# KiCad board hellen88m42bmw.kicad_pcb (continued)
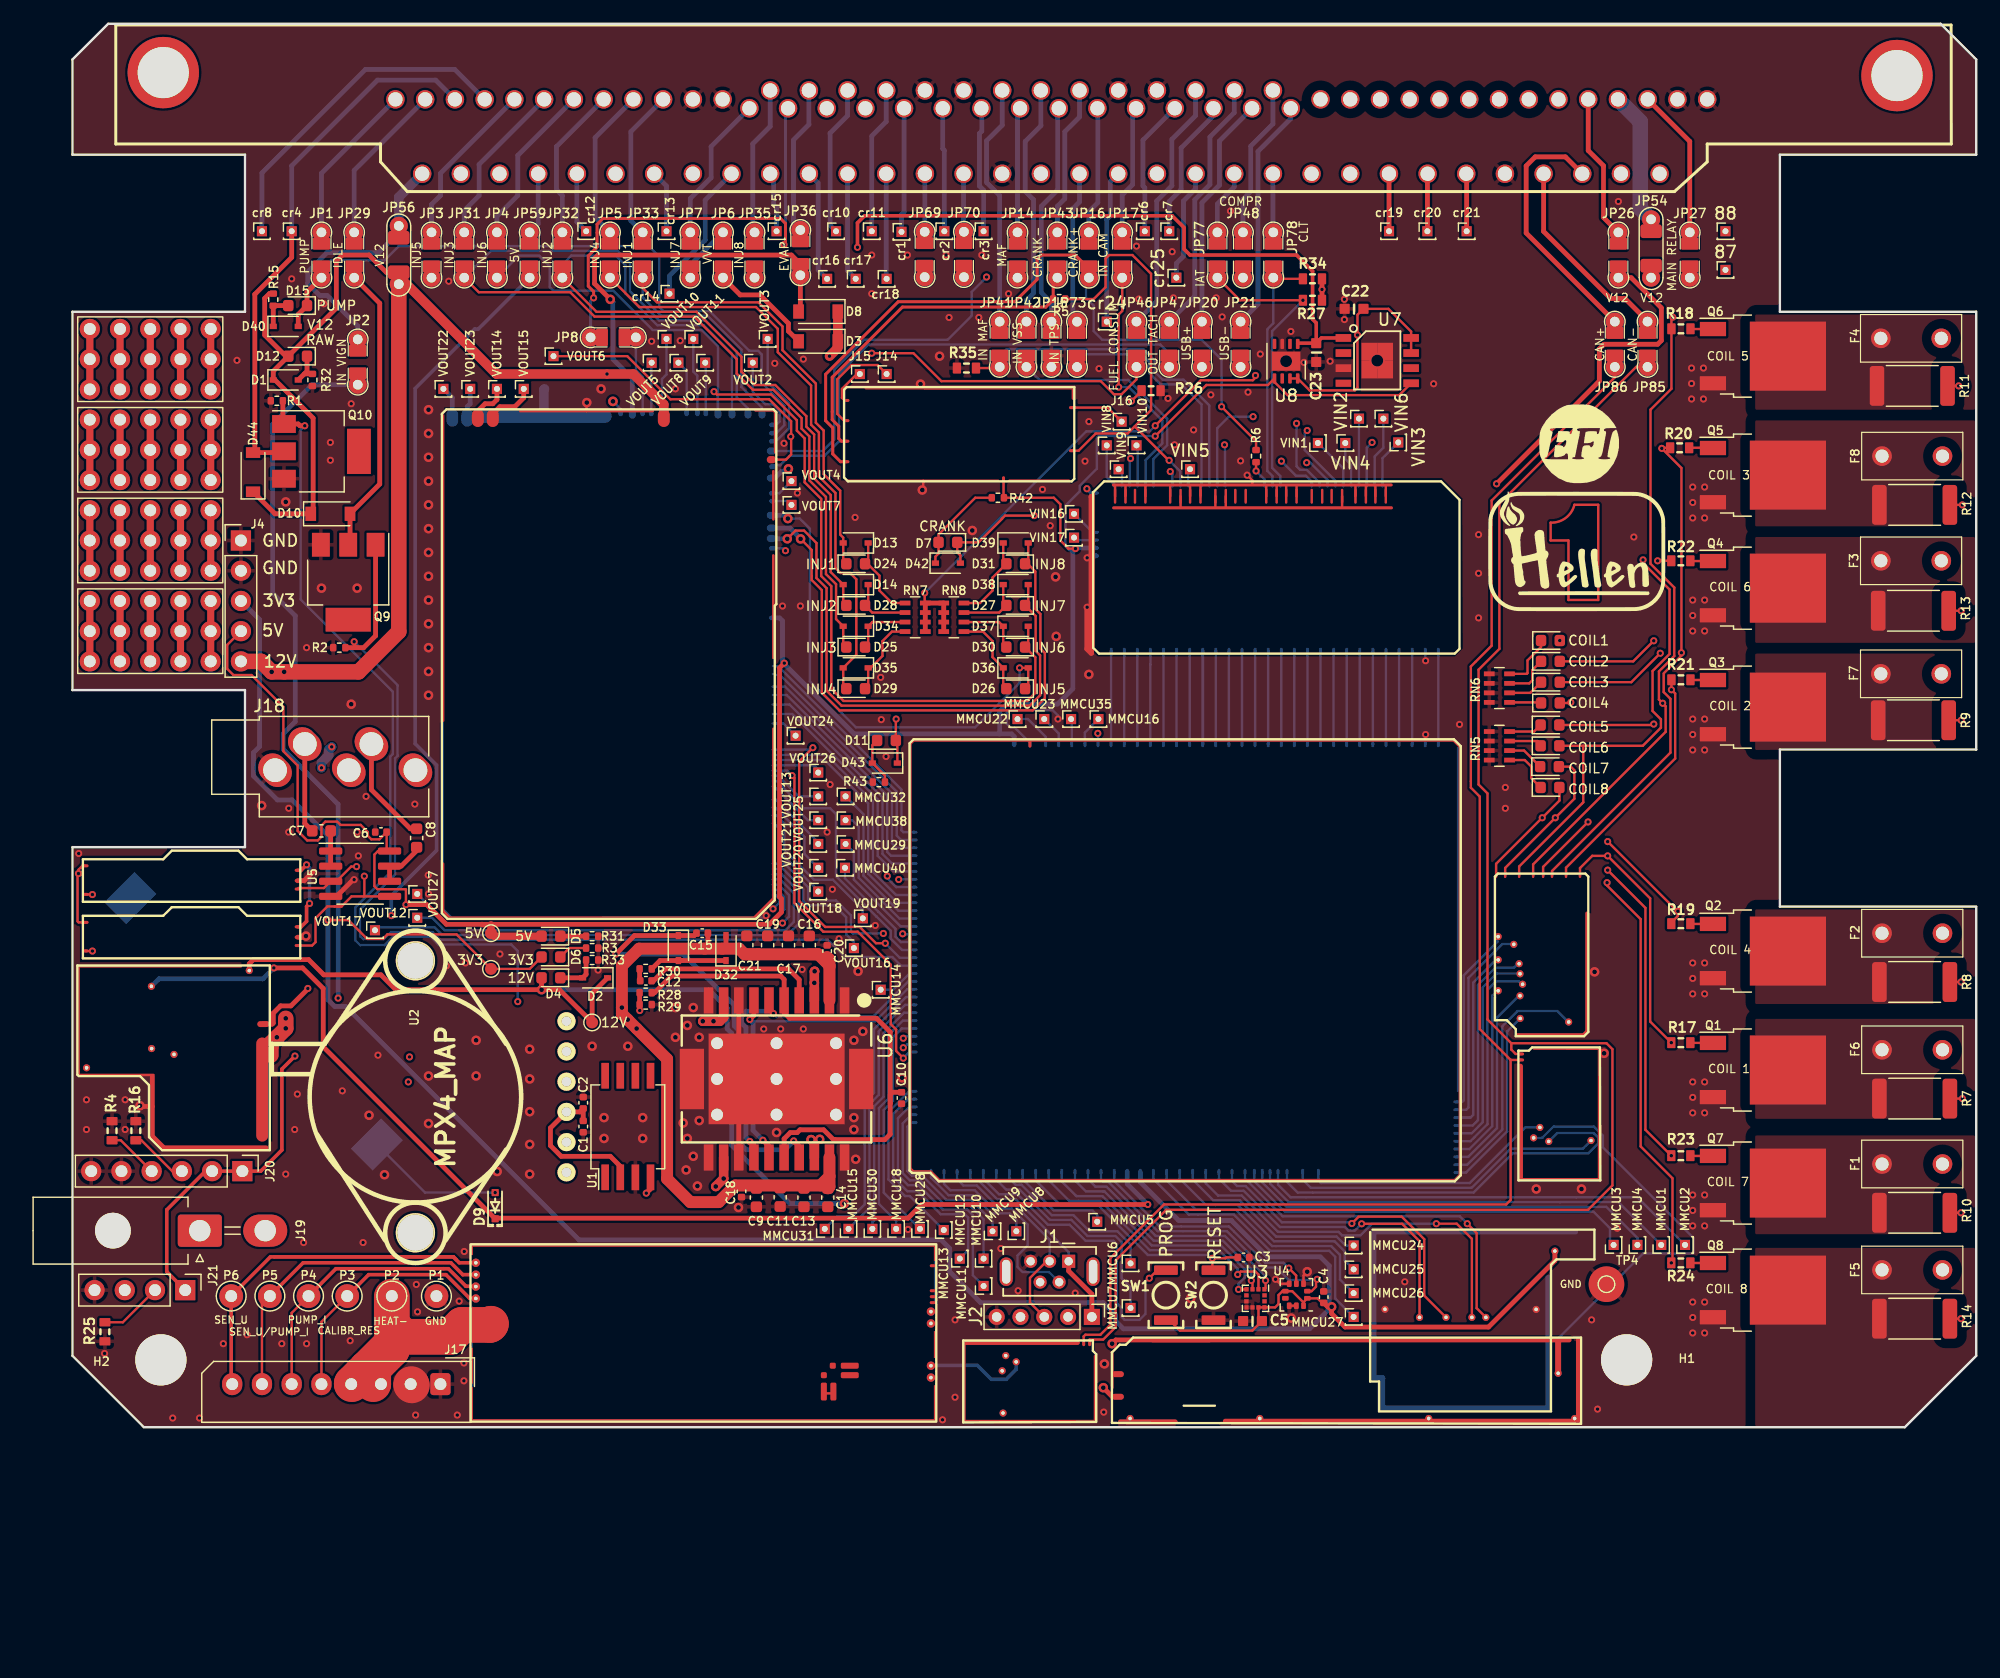
[diagram p0: board, top side]
## Library data of the parts
BT1 = -: LCSC: C70377; ki_fp_filters: BATT_CR2032_MPD
C1-C4 C6 C18 C20 = -: LCSC: C307331; ki_fp_filters: C_*
C5 = -: LCSC: C14663
C7-C9 C11 C13 C14 C16 C17 C19 C21 = -: LCSC: C96446; ki_fp_filters: C_*
C10 = -: LCSC: C115688; ki_fp_filters: C_*
C12 = -: LCSC: C15195; ki_fp_filters: C_*
C15 = -: LCSC: C16772; ki_fp_filters: C_*
C22 C23 = -: LCSC: C15849
cr1-cr4 cr6-cr8 cr10-cr25 J2 J4 J14-J16 J19-J21 MMCU1-MMCU16 MMCU18 MMCU22-MMCU32 MMCU35 MMCU38 MMCU40 P1-P6 VIN1-VIN6 VIN8-VIN10 VIN16 VIN17 VOUT2-VOUT27 = -: ki_fp_filters: Connector*:*_1x??_*
D1 D2 D13 D14 D34-D40 D42 D43 = -: Datasheet: https://www.vishay.com/docs/85751/1n4148ws.pdf; LCSC: C2128; ki_fp_filters: D*SOD?323*
D3 D8 = -: Datasheet: https://www.vishay.com/docs/85751/1n4148ws.pdf; LCSC: C8598; ki_fp_filters: D*SOD?323*
D4-D6 D12 = -: LCSC: C72043; ki_fp_filters: LED* LED_SMD:* LED_THT:*
D7 = -: LCSC: C84265; ki_fp_filters: LED* LED_SMD:* LED_THT:*
D9 = -: LCSC: C2128
D10 D44 = -: LCSC: C8598
D11 D15 D24-D31 = -: LCSC: C2286; ki_fp_filters: LED* LED_SMD:* LED_THT:*
D16-D23 = -: LCSC: C72041; ki_fp_filters: LED* LED_SMD:* LED_THT:*
D32 D33 = -: LCSC: C2128; ki_fp_filters: TO-???* *_Diode_* *SingleDiode* D_*
F1-F8 = -: LCSC: C354908
H1 H2 = -: ki_fp_filters: MountingHole*
J1 = -: LCSC: C13453; ki_fp_filters: USB*
J17 = -: LCSC: C10385; ki_fp_filters: Connector*:*_1x??_*
J18 = -: LCSC: C165947; ki_fp_filters: Jack*
JP1-JP5 JP7 JP8 JP14-JP17 JP26 JP27 JP29 JP31-JP33 JP35 JP36 JP42 JP43 JP46-JP48 JP59 JP69 JP70 JP73 JP77 JP78 JP85 JP86 = -: LCSC: C17477
JP6 JP20 JP21 JP41 U8 = -: MyComment: DNP
JP54 = -: LCSC: C182446
JP56 = -: MyCooment: DNP
PP1 = -: Datasheet: DOCUMENTATION; ki_fp_filters: 176122-6_2nd
Q1-Q8 = -: LCSC: C151649
Q9 Q10 = -: Datasheet: https://www.infineon.com/dgdl/Infineon-AUIPS2041-DS-v01_00-EN.pdf?fileId=5546d4625a888733015aae147a9d4c57; LCSC: C113610; ki_fp_filters: SOT?223*
R1 R2 R29 = -: LCSC: C60489; ki_fp_filters: R_*
R3 = -: LCSC: C25132; ki_fp_filters: R_*
R4 R16 R25 = -: LCSC: C25822
R5 R6 = -: Comment: 0
R7-R14 = -: LCSC: NA; ki_fp_filters: R_*
R15 = -: LCSC: C25765; ki_fp_filters: R_*
R17-R24 = -: LCSC: C23345
R27 R34 = -: LCSC: C13167
R28 = -: LCSC: C106234; ki_fp_filters: R_*
R30 = -: LCSC: C106233; ki_fp_filters: R_*
R31 = -: LCSC: C25931; ki_fp_filters: R_*
R32 R33 R43 = -: LCSC: C25941; ki_fp_filters: R_*
R42 = -: LCSC: C25940; ki_fp_filters: R_*
RN5 RN6 = -: Datasheet: CN1J4TTD102J; LCSC: C240722; ki_fp_filters: DIP* SOIC* R*Array*Concave* R*Array*Convex*
RN7 RN8 = -: Datasheet: EXB-38V471JV; LCSC: C1980; ki_fp_filters: DIP* SOIC* R*Array*Concave* R*Array*Convex*
SW1 SW2 = -: LCSC: C115357
TP1-TP4 = -: ki_fp_filters: Pin* Test*
U1 = -: Datasheet: http://www.nxp.com/files/sensors/doc/data_sheet/MPXA6115A.pdf
U3 = -: Datasheet: www.st.com/resource/en/datasheet/lis2hh12.pdf; LCSC: C189624; ki_fp_filters: LGA*2x2mm*P0.5mm*
U4 = -: Datasheet: www.st.com/resource/en/datasheet/lps25hb.pdf; LCSC: C87898; ki_fp_filters: ST?HLGA*2.5x2.5mm*P0.6mm*LayoutBorder3x2y*
U5 = -: Datasheet: http://ww1.microchip.com/downloads/en/DeviceDoc/21733j.pdf; LCSC: C7377; ki_fp_filters: SOIC*3.9x4.9mm*P1.27mm* DIP*W7.62mm* TO*99* OnSemi*Micro8* TSSOP*3x3mm*P0.65mm* TSSOP*4.4x3mm*P0.65mm* MSOP*3x3mm*P0.65mm* SSOP*3.9x4.9mm*P0.635mm* LFCSP*2x2mm*P0.5mm* *SIP* SOIC*5.3x6.2mm*P1.27mm*
U6 = -: LCSC: C36543

## Footprints (pads in the part's own frame, mm; a bottom-side part is the same pattern mirrored in y, then rotated)
88pin_STS
  round 6 hole 4.3: (-19.51,2.25) (126.2,2)
  round 1.55 hole 1.2: 1(0,0) 2(5,0) 3(10,0) 4(15,0) 5(20,0) 6(25,0) 7(29.75,-0.75) 8(33,-0.75) 9(36.25,-0.75) 10(39.5,-0.75) 11(42.75,-0.75) 12(46,-0.75) 13(49.25,-0.75) 14(52.5,-0.75) 15(55.75,-0.75) 16(59,-0.75) 17(62.25,-0.75) 18(65.5,-0.75) 19(68.75,-0.75) 20(72,-0.75) 21(75.25,-0.75) 22(80.25,0) 23(85.25,0) 24(90.25,0) 25(95.25,0) 26(100.25,0) 27(105.25,0) 28(110.25,0) 29(2.5,0) 30(7.5,0) 31(12.5,0) 32(17.5,0) 33(22.5,0) 34(27.5,0) 35(31.5,0.75) 36(34.75,0.75) 37(38,0.75) 38(41.25,0.75) 39(44.5,0.75) 40(47.75,0.75) 41(51,0.75) 42(54.25,0.75) 43(57.5,0.75) 44(60.75,0.75) 45(64,0.75) 46(67.25,0.75) 47(70.5,0.75) 48(73.75,0.75) 49(77.75,0) 50(82.75,0) 51(87.75,0) 52(92.75,0) 53(97.75,0) 54(102.75,0) 55(107.75,0) 56(2.25,-6.25) 57(5.5,-6.25) 58(8.75,-6.25) 59(12,-6.25) 60(15.25,-6.25) 61(18.5,-6.25) 62(21.75,-6.25) 63(25,-6.25) 64(28.25,-6.25) 65(31.5,-6.25) 66(34.75,-6.25) 67(38,-6.25) 68(41.25,-6.25) 69(44.5,-6.25) 70(47.75,-6.25) 71(51,-6.25) 72(54.25,-6.25) 73(57.5,-6.25) 74(60.75,-6.25) 75(64,-6.25) 76(67.25,-6.25) 77(70.5,-6.25) 78(73.75,-6.25) 79(77,-6.25) 80(80.25,-6.25) 81(83.5,-6.25) 82(86.75,-6.25) 83(90,-6.25) 84(93.25,-6.25) 85(96.5,-6.25) 86(99.75,-6.25) 87(103,-6.25) 88(106.25,-6.25)
36911600000
  round 1.65 hole 1.1: 1(-2.54,0) 2(2.54,0)
BatteryHolder_Keystone_1060_1x2032
  rect 2.6x3.6 smd: 1(-14.65,0) 2(14.65,0)
C0603
  rrect 0.85x0.85 smd: 1(-0.79,0) 2(0.79,0)
C_0402_1005Metric
  rrect 0.56x0.62 smd: 1(-0.48,0) 2(0.48,0)
C_0603_1608Metric
  rrect 0.9x0.95 smd: 1(-0.775,0) 2(0.775,0)
can
  oval 0.2x5.67 smd: E1(0.2,4.138)
  oval 11.1x0.2 smd: E1(5.675,6.875)
  oval 9.8x0.4 smd: E1(6.375,0.275)
  oval 0.5x0.25 smd: E1(11,0.275)
  oval 0.2x6.8 smd: E1(11.175,3.538)
  oval 0.25x0.5 smd: S1(0.65,0.325) S2(1.15,0.325)
  round 0.6 hole 0.3: V1(7.7,1.375) V2(6.825,1.9) V5(8,2.65) V6(7.925,6.2)
D_SOD-123
  rect 0.9x1.2 smd: 1(-1.65,0) 2(1.65,0)
D_SOD-323
  rect 0.6x0.45 smd: 1(-1.05,0) 2(1.05,0)
HVSON-8-1EP_3x3mm_P0.65mm_EP1.6x2.4mm
  rrect 0.64x0.97 smd: (-0.4,0.6) (-0.4,-0.6) (0.4,0.6) (0.4,-0.6)
  rrect 0.85x0.3 smd: 1(-1.45,0.975) 2(-1.45,0.325) 3(-1.45,-0.325) 4(-1.45,-0.975) 5(1.45,-0.975) 6(1.45,-0.325) 7(1.45,0.325) 8(1.45,0.975)
  rect 1.6x2.4 smd: 9(0,0)
ign8
  oval 0.25x10.2 smd: G(0.15,8.4)
  oval 0.65x0.25 smd rot 45: G(0.3,13.5)
  oval 5.8x0.25 smd: G(3.263,13.65)
  oval 0.2x0.4 smd: S1(7.775,0.275) S2(7.015,0.275) S3(5.84,0.275) S4(4.665,0.275) S5(3.825,0.275) S6(3.075,0.275) S7(1.9,0.275) S8(0.725,0.275)
  round 0.6 hole 0.3: V1(5.765,10.375) V2(7.6,9.95) V3(5.55,9.4) V4(5.765,8.525) V5(5.84,7.675) V6(7.6,7.35) V7(6.29,6.05) V8(7.6,5.4) V9(1.675,12.575) V10(5.75,12.275)
input
  rrect 0.5x0.25 smd far side: E1(30.65,6.358) E2(30.65,5.698) E3(30.65,5.038) E4(30.65,4.378) E5(30.65,1.078)
  rrect 0.2x13 smd: E1(30.85,7.545)
  rrect 23.6x0.25 smd: J1(17.495,2.325) J2(17.52,0.4)
  rrect 0.2x1.25 smd: J3(6.295,1.35) J4(7.17,1.35) J5(7.97,1.35) J6(8.845,1.35) J7(9.97,1.35) J8(10.845,1.35) J9(11.645,1.35) J10(12.52,1.35) J11(13.795,1.35) J12(14.67,1.35) J13(15.47,1.35) J14(16.345,1.35) J15(18.07,1.35) J16(18.945,1.35) J17(19.745,1.35) J18(20.62,1.35) J19(21.87,1.35) J20(22.745,1.35) J21(23.545,1.35) J22(24.42,1.35) J23(26.5,1.35) J24(27.375,1.35) J25(28.175,1.35) J26(29.05,1.35)
  rrect 0.25x0.5 smd far side: N1(1.88,14.327) N2(2.98,14.327) N3(4.08,14.327) N4(5.18,14.327) N5(6.28,14.327) N6(7.38,14.327) N7(8.48,14.327) N8(9.58,14.327) N9(10.68,14.327) N10(11.78,14.327) N11(12.88,14.327) N12(13.98,14.327) N13(15.08,14.327) N14(16.18,14.327) N15(17.28,14.327) N16(18.38,14.327) N17(19.48,14.327) N18(20.58,14.327) N19(21.68,14.327) N20(22.78,14.327) N21(23.88,14.327) N22(24.98,14.327) N23(26.08,14.327) N24(27.18,14.327) N25(28.28,14.327) N26(29.38,14.327) S1(29.129,0.365) S2(28.469,0.365) S3(27.809,0.365) S4(27.149,0.365) S5(26.489,0.365) S6(25.829,0.365) S7(24.228,0.365) S8(23.568,0.365) S9(22.908,0.365) S10(21.787,0.365) S11(21.127,0.365) S12(20.467,0.365) S13(19.807,0.365) S14(16.481,0.365) S15(15.821,0.365) S16(15.161,0.365) S17(12.515,0.365) S18(11.855,0.365) S19(11.195,0.365) S20(10.535,0.365) S21(9.875,0.365) S22(9.215,0.365) S23(8.555,0.365) S24(7.895,0.365) S25(7.235,0.365) S26(6.575,0.365)
Jack_3.5mm_PJ-3250-5A
  oval 3x2.4 hole 2 rot 45: R(1.9,-4.3) RN(-0.3,-2.4) S(-0.3,3.8) T(1.9,1.3) TN(-0.3,-8)
knock
  oval 0.5x0.25 smd: E1(18.15,2.75) E2(18.15,1.875) E3(18.15,1.175) W1(0.325,0.725) W2(0.325,3.125)
LED_0603_1608Metric
  rrect 0.875x0.95 smd: 1(-0.787,0) 2(0.787,0)
LGA-12_2x2mm_P0.5mm
  rect 0.375x0.35 smd: 1(-0.762,0.75) 2(-0.762,0.25) 3(-0.762,-0.25) 4(-0.762,-0.75) 7(0.762,-0.75) 8(0.762,-0.25) 9(0.762,0.25) 10(0.762,0.75)
  rect 0.35x0.375 smd: 5(-0.25,-0.762) 6(0.25,-0.762) 11(0.25,0.762) 12(-0.25,0.762)
mcu
  rrect 0.5x0.25 smd far side: E1(46.002,32.325) E2(46.002,31.665) E3(46.002,31.005) E4(46.002,30.345) E5(46.002,29.685) E6(46.002,26.385) E7(46.002,25.725) E8(46.002,25.065) E9(46.002,24.405) E10(46.002,23.745) E11(46.002,23.085) E12(46.002,22.425) E13(46.002,21.765) E14(46.002,21.105) E15(46.002,20.445) E16(46.002,19.785) E17(46.002,19.125) E18(46.002,18.465) E19(46.002,17.805) E20(46.002,17.145) E21(46.002,16.485) E22(46.002,15.825) E23(46.002,15.165) E24(46.002,14.505) E25(46.002,13.845) E26(46.002,13.185) E27(46.002,12.525) E28(46.002,11.865) E29(46.002,11.205) E30(46.002,10.545) E31(46.002,9.885) E32(46.002,9.225) E33(46.002,8.565) E34(46.002,7.905) W1(0.475,30.58) W2(0.475,31.24) W3(0.475,31.9) W4(0.475,32.56) W5(0.475,33.22) W6(0.475,33.88) W7(0.475,34.54) W8(0.475,35.2) W9(0.475,35.86) W10(0.475,36.52)
  rrect 0.25x0.5 smd far side: N1(12.055,36.452) N2(13.375,36.452) N3(14.695,36.452) N4(15.455,36.452) N5(16.12,36.452) N6(16.785,36.452) N7(17.45,36.452) N8(18.225,36.452) N9(19.325,36.452) N10(20.425,36.452) N11(21.525,36.452) N12(22.625,36.452) N13(23.725,36.452) N14(24.825,36.452) N15(25.925,36.452) N16(27.025,36.452) N17(28.125,36.452) N18(29.225,36.452) N19(30.325,36.452) N20(31.425,36.452) N21(32.525,36.452) N22(33.625,36.452) N23(34.725,36.452) N24(35.825,36.452) N25(36.925,36.452) N26(38.025,36.452) N27(39.125,36.452) N28(40.225,36.452) N29(41.325,36.452) N30(42.425,36.452) N31(43.525,36.452) N32(44.625,36.452) S1(37.625,0.523) S2(36.305,0.523) S3(34.985,0.523) S4(33.885,0.523) S5(32.785,0.523) S6(31.685,0.523) S7(30.585,0.523) S8(29.485,0.523) S9(28.385,0.523) S10(27.285,0.523) S11(26.185,0.523) S12(25.085,0.523) S13(23.985,0.523) S14(22.885,0.523) S15(21.785,0.523) S16(20.685,0.523) S17(19.585,0.523) S18(18.485,0.523) S19(17.385,0.523) S20(16.285,0.523) S21(15.185,0.523) S22(14.085,0.523) S23(12.985,0.523) S24(11.885,0.523) S25(10.785,0.523) S26(9.685,0.523) S27(8.585,0.523) S28(7.485,0.523) S29(6.385,0.523) S30(5.285,0.523) S31(4.185,0.523) S32(3.085,0.523) S33(1.985,0.523)
  rrect 0.2x36.19 smd: S2(0.175,18.722)
  rrect 0.2x29 smd far side: S2(0.34,15.24)
  rrect 0.2x0.8 smd rot 135: S2(0.39,36.935)
  rrect 0.2x0.94 smd rot 45: S2(0.438,0.462)
  rrect 43.5x0.2 smd: S2(22.265,37.15)
  rrect 45.6x0.2 smd: S2(23.4,0.2)
  rrect 0.25x0.7 smd: S2(36.305,0.45)
  rrect 0.2x1.2 smd rot 45: S2(44.288,36.788)
  rrect 1.6x0.2 smd: S2(45.375,36.425)
  rrect 0.2x0.58 smd rot 135: S2(46.212,0.338)
  rrect 0.2x0.55 smd rot 45: S2(46.225,36.3)
  rrect 0.2x35.9 smd: S2(46.35,18.325)
Molex_Mini-Fit_Jr_5569-02A2_2x01_P4.20mm_Horizontal
  round 3 hole 3 unplated: (0,7.3)
  rrect 2.7x3.7 hole 1.8: 1(0,0)
  oval 2.7x3.7 hole 1.8: 2(0,-5.5)
MountingHole_4.3mm_M4_DIN965
  round 4.3 hole 4.3 unplated: (0,0)
MPX-4_MAP
  round 3.302 hole 3.048: (-11.43,-3.81) (11.43,-3.81)
  round 1.524 hole 0.813: 1(-6.35,-16.51) 2(-3.81,-16.51) 3(-1.27,-16.51) 4(1.27,-16.51) 5(3.81,-16.51) 6(6.35,-16.51)
output
  oval 0.2x3.6 smd: G(0.175,2.025)
  oval 0.2x0.3 smd rot 45: G(0.245,0.273)
  oval 0.2x4.25 smd: G(0.325,7.335)
  oval 0.2x14.4 smd: G(0.327,34.056)
  oval 0.2x8.825 smd: G(0.327,16.697)
  oval 1.7x0.2 smd: G(1.075,0.2)
  oval 2.43x0.2 smd rot 45: G(1.135,42.031)
  oval 25.7x0.2 smd: G(14.7,42.835)
  oval 25.6x0.2 smd far side: G(14.7,42.825)
  oval 11.325x0.2 smd: G(16.025,0.26)
  oval 0.2x1.2 smd far side rot 45: G(27.745,42.47)
  oval 1x0.2 smd rot 135: G(27.789,42.551)
  oval 0.2x25.85 smd: G(28.075,13.46)
  oval 0.2x4.15 smd: G(28.077,40.271)
  oval 0.2x40.8 smd far side: G(28.1,21.8)
  oval 1x1.5 smd far side: S1(27.302,0.814) S2(26.046,0.814)
  oval 11.4x1.1 smd far side: S3(19.602,0.689)
  oval 1x1.5 smd: S4(25.157,0.839) S5(23.902,0.839) S11(9.527,0.839)
  oval 0.4x0.6 smd far side: S6(13.152,0.389) S8(11.307,0.389) S9(10.577,0.389) S10(9.682,0.389) S12(7.607,0.389) S13(6.707,0.389) S14(5.997,0.389)
  oval 0.6x0.8 smd far side: S7(12.177,0.489) S15(4.977,0.489) S16(3.802,0.489) S17(2.452,0.489) S18(1.277,0.489)
  oval 0.6x0.4 smd far side: W1(0.377,1.419) W2(0.377,2.114) W3(0.377,2.794) W6(0.377,4.919) W8(0.377,7.164) W9(0.377,7.814) W13(0.377,11.789) W14(0.377,17.639)
  oval 0.8x0.6 smd far side: W4(0.472,3.614) W7(0.472,5.889) W10(0.472,9.014) W11(0.472,10.089) W12(0.472,10.964)
  oval 0.8x0.6 smd: W5(0.472,4.335)
  oval 0.4x0.2 smd far side: W15(0.272,21.694) W16(0.272,22.354) W17(0.272,23.414) W18(0.272,24.118) W19(0.272,24.918) W20(0.272,25.718) W21(0.272,26.514) W22(0.272,28.709) W23(0.272,29.149) W24(0.272,29.589) W25(0.272,30.029) W26(0.272,30.469) W27(0.272,30.909) W28(0.272,31.349) W29(0.272,31.789) W30(0.272,32.914) W31(0.272,33.574) W32(0.272,34.234) W33(0.272,34.894) W34(0.272,38.299) W35(0.272,38.739) W36(0.272,39.179) W37(0.272,39.619) W38(0.272,40.059) W39(0.272,40.499) W40(0.272,40.939)
PAD-0805-PAD
  round 1.524 hole 0.813: 1(-1.905,0) 2(1.905,0)
  rrect 1x1.45 smd: 1(-0.95,0) 2(0.95,0)
PAD-1206-PAD
  round 1.524 hole 0.813: 1(-2.45,0) 2(2.45,0)
  rrect 1.15x1.8 smd: 1(-1.45,0) 2(1.45,0)
PG-DSO-8-43
  rect 1.31x0.65 smd: 1(-2.845,1.905) 2(-2.845,0.635) 3(-2.845,-0.635) 5(2.845,-1.905) 6(2.845,-0.635) 7(2.845,0.635) 8(2.845,1.905)
  rect 1.31x0.6 smd: 4(-2.845,-1.905)
  rect 1.325x1.5 smd: 9(-0.662,0.75) 9(-0.662,-0.75) 9(0.662,0.75) 9(0.662,-0.75)
Pin_D1.0mm_L10.0mm
  round 2 hole 1: 1(0,0)
PinHeader_1x01_P1.00mm_Vertical
  rect 0.85x0.85 hole 0.5: 1(0,0)
PinHeader_1x04_P2.54mm_Vertical
  rect 1.7x1.7 hole 1: 1(0,0)
  oval 1.7x1.7 hole 1: 2(0,-2.54) 3(0,-5.08) 4(0,-7.62)
PinHeader_1x05_P2.00mm_Vertical
  rect 1.35x1.35 hole 0.8: 1(0,0)
  oval 1.35x1.35 hole 0.8: 2(0,-2) 3(0,-4) 4(0,-6) 5(0,-8)
PinHeader_1x05_P2.54mm_Vertical
  rect 1.7x1.7 hole 1: 1(0,0)
  oval 1.7x1.7 hole 1: 2(0,-2.54) 3(0,-5.08) 4(0,-7.62) 5(0,-10.16)
PinHeader_1x06_P2.54mm_Vertical
  rect 1.7x1.7 hole 1: 1(0,0)
  oval 1.7x1.7 hole 1: 2(0,-2.54) 3(0,-5.08) 4(0,-7.62) 5(0,-10.16) 6(0,-12.7)
power5
  oval 0.4x7.2 smd: G(0.325,3.719)
  round 0.6 hole 0.3: G(0.637,6.9) G(12.9,6.9) G(27.1,6.9) G(38,6.9) V2(2.025,3.1)
  oval 30x0.4 smd: G(15.2,7.125)
  oval 5x0.4 smd: G(36.513,7.175)
  oval 1x0.5 smd: G(39.02,3.175) V1(39.02,5.075)
  oval 0.2x3.1 smd: G(39.495,2.875)
  oval 0.5x3 smd: V2(2.025,1.717)
  oval 35.4x0.4 smd: V2(18.6,0.3)
power12
  oval 1x0.5 smd: E1(15.725,10.7)
  oval 1x8.745 smd: E2(15.64,5.197)
  oval 0.2x9.2 smd: S1(0.2,10.944)
  oval 0.2x0.5 smd: S1(0.2,6.65)
  oval 6.5x0.2 smd: S1(3.35,6.425)
  oval 0.4x5.4 smd: S1(6.4,3.775)
  oval 0.4x1.6 smd rot 45: S1(6.9,0.775)
  oval 13.8x0.2 smd: S1(7.044,15.55)
  oval 9x0.4 smd: S1(11.65,0.3)
  round 0.6 hole 0.3: V1(14.55,15.2) V2(6.325,13.875) V3(6.343,8.643) V4(8.225,8.15) V5(0.875,7.025)
PROTO_AREA
  round 1.7 hole 1: 1(0,0) 2(2.54,0) 3(5.08,0) 4(7.62,0) 5(10.16,0) 6(0,-2.54) 7(2.54,-2.54) 8(5.08,-2.54) 9(7.62,-2.54) 10(10.16,-2.54) 11(0,-5.08) 12(2.54,-5.08) 13(5.08,-5.08) 14(7.62,-5.08) 15(10.16,-5.08)
R0603
  rrect 0.7x0.92 smd: 1(-0.8,0) 2(0.8,0)
R_0402_1005Metric
  rrect 0.54x0.64 smd: 1(-0.51,0) 2(0.51,0)
R_2512_6332Metric
  rrect 1.225x3.35 smd: 1(-2.962,0) 2(2.962,0)
R_Array_Concave_4x0603
  rect 0.9x0.4 smd: 1(-0.85,1.2) 2(-0.85,0.4) 3(-0.85,-0.4) 4(-0.85,-1.2) 5(0.85,-1.2) 6(0.85,-0.4) 7(0.85,0.4) 8(0.85,1.2)
sd
  oval 0.5x11.4 smd: G(3.975,5.887)
  oval 17.4x0.4 smd: G(10.175,15.175)
  oval 14.45x0.5 smd: G(10.945,0.35)
  oval 0.5x3 smd: G(17.925,1.625)
  oval 1.2x0.5 smd: G(18.275,2.9)
  oval 0.5x12.7 smd: G(18.675,9.012)
  round 0.6 hole 0.3: V1(3.425,13.575) V2(5,8.67) V3(17.704,8.679) V4(9.225,8) V5(10.4,8) V6(12.575,8) V7(14.8,8)
SMD-2_2.9x3.9x1.7
  rrect 0.8x2 smd: 1(-2.1,0) 2(2.1,0)
SO20POWER
  rect 0.8x2.2 smd: 1(-5.715,-6.6) 2(-4.445,-6.6) 3(-3.175,-6.6) 4(-1.905,-6.6) 5(-0.635,-6.6) 6(0.635,-6.6) 7(1.905,-6.6) 8(3.175,-6.6) 9(4.445,-6.6) 10(5.715,-6.6) 11(5.715,6.6) 12(4.445,6.6) 13(3.175,6.6) 14(1.905,6.6) 15(0.635,6.6) 16(-0.635,6.6) 17(-1.905,6.6) 18(-3.175,6.6) 19(-4.445,6.6) 20(-5.715,6.6)
  rect 2.032x5.08 smd: SLUG1(-7.112,0) SLUG3(7.112,0)
  round 1.3 hole 1: SLUG2(-5,3) SLUG2(-5,0) SLUG2(-5,-3) SLUG2(0,3) SLUG2(0,0) SLUG2(0,-3) SLUG2(5,3) SLUG2(5,0) SLUG2(5,-3)
  rect 11.43x7.62 smd: SLUG2(0,0)
SOD-323
  rrect 0.6x0.6 smd: 1(-1.1,0) 2(1.1,0)
SOIC-8_3.9x4.9mm_P1.27mm
  rrect 1.95x0.6 smd: 1(-2.475,1.905) 2(-2.475,0.635) 3(-2.475,-0.635) 4(-2.475,-1.905) 5(2.475,-1.905) 6(2.475,-0.635) 7(2.475,0.635) 8(2.475,1.905)
SOT-223
  rect 2x1.5 smd: 1(-3.15,2.3) 2(-3.15,0) 3(-3.15,-2.3)
  rect 2x3.8 smd: 4(3.15,0)
SSO-8_6.8x5.9mm_P1.27mm_Clearance7mm
  rect 2.16x0.64 smd: 1(-4.27,1.905) 2(-4.27,0.635) 3(-4.27,-0.635) 4(-4.27,-1.905) 5(4.27,-1.905) 6(4.27,-0.635) 7(4.27,0.635) 8(4.27,1.905)